# Altium PCB AccessControl_V1.0.0.PcbDoc (part 3 of 3) (continued)
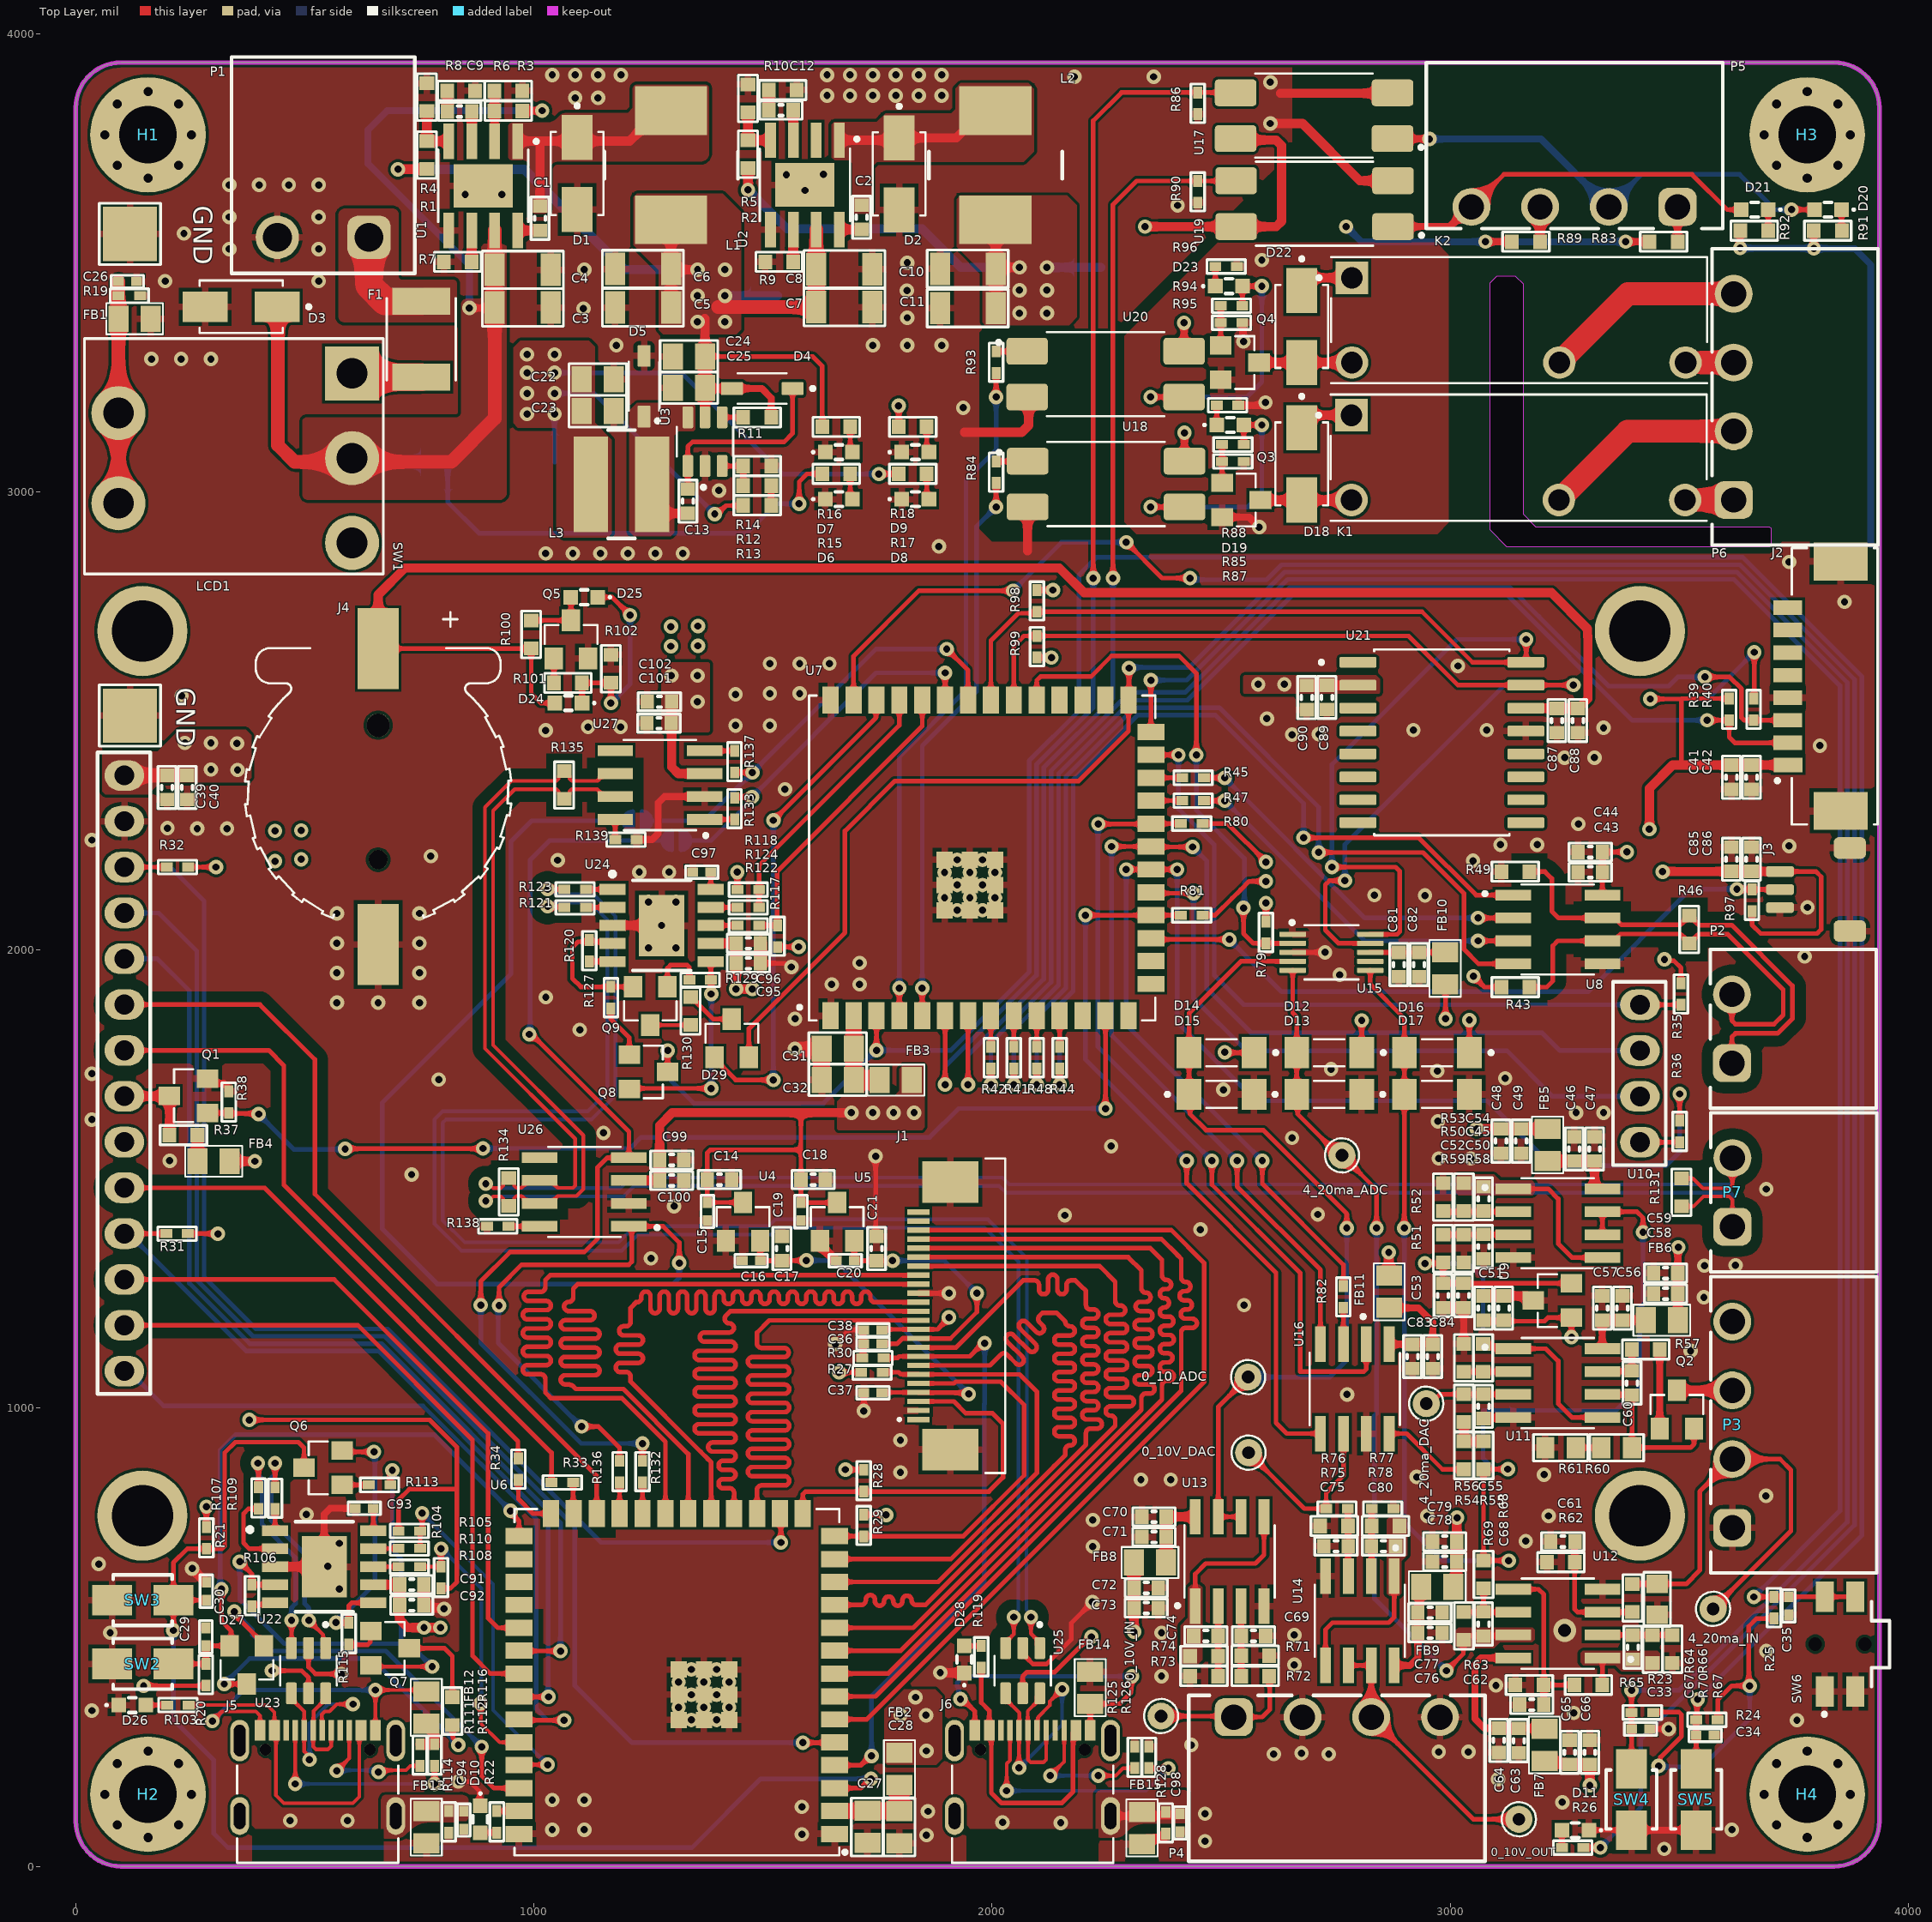
[diagram p0: Top Layer view]
## Nets (pads, with @x,y where several pads share a name; then routed paths per layer and width w, separated by ;. In a path a pad name is that pad's centre, name@x,y a point inside that pad or via, vN(x,y) a via of type N, cw(c..) or ccw(c..) an arc to the next point about the centre after c; other vN are vias at no path point) (continued)
NetLCD1_6: LCD1.6 U6.24 | length 1711.4
  Top Layer w10: LCD1.6@106,1881 402,1881 522,1761 522,1467.33 1137,852.33 U6.24@1137,770
NetLCD1_7: LCD1.7 R33.2 | length 1513.7
  Top Layer w10: LCD1.7@106,1781 421,1781 454,1748 454,1487.25 1038.38,902.87 R33.2@1038.38,838
NetLCD1_10: LCD1.10 R34.2 | length 1125.9
  Top Layer w10: LCD1.10@106,1481 412.17,1481 965.24,927.93 965.24,891.39 R34.2@966,890.62
NetLCD1_11: LCD1.11 R31.1 U6.34 | length 1725.2
  Top Layer w10: LCD1.11@106,1381 R31.1@197.38,1381 ; U6.34@967.51,370.79 968.3,370 v1(1031.75,370)
  Bottom Layer w10: LCD1.11@106,1381 115.84,1381 371.84,1125 660.49,1125 1031,754.49 1031,370.75 v1(1031.75,370)
NetLCD1_12: LCD1.12 U6.31 | length 1412.5
  Top Layer w10: LCD1.12@106,1281 564.08,1281 900,945.08 900,542 921.21,520.79 U6.31@967.51,520.79
NetLCD1_13: LCD1.13 U6.33 | length 1452.6
  Top Layer w10: LCD1.13@106,1181 616,1181 866,931 866,459.5 904.71,420.79 U6.33@967.51,420.79
NetLCD1_14: LCD1.14 U6.35 | length 1617.3
  Top Layer w10: U6.35@967.51,320.79 969.3,319 v1(1066,319)
  Bottom Layer w10: LCD1.14@106,1081 115.84,1081 191.84,1005 757.86,1005 1005,757.86 1005,344 1030,319 v1(1066,319)
NetLCD1_15: LCD1.15 R35.1 U7.25 | length 1619.2
  Top Layer w10: U7.25@2346.83,2425.94 v1(2407,2425.94) ; LCD1.15@3414.27,1880.61 3414.38,1880.49 3503.89,1880.49 R35.1@3504,1880.38
  Bottom Layer w10: v1(2407,2425.94) 2407,2308 2485,2230 2485,1945 2549.39,1880.61 LCD1.15@3414.27,1880.61
NetLCD1_16: LCD1.16 U7.21 U16.4 | length 2776
  Top Layer w10: v1(2261,2226) 2346.77,2226 2347.77,2225 v1(2438,2225) ; v1(2535,1540) 2535,1484 2717,1302 U16.4@2717,1139.44
  Bottom Layer w10: v1(2261,2226) 2261,1814 v1(2535,1540) ; v1(2438,2225) 2469,2194 2469,1916 2565.42,1819.58 3200.42,1819.58 3239.39,1780.61 LCD1.16@3414.27,1780.61
NetLCD1_17: LCD1.17 U7.19 | length 1386
  Top Layer w10: U7.19@2346.83,2125.94 2348.77,2124 v1(2440,2124)
  Bottom Layer w10: v1(2440,2124) 2440,1895 2555,1780 3124,1780 3223.39,1680.61 LCD1.17@3414.27,1680.61
NetLCD1_18: LCD1.18 R36.2 | length 86.8
  Top Layer w10: LCD1.18@3414.27,1580.61 3414.38,1580.49 3500.89,1580.49 R36.2@3501,1580.38
NetP5_1: P5.1 R83.2 | length 76.1
  Top Layer w15: R83.2@3496.5,3546 P5.1@3496.46,3622.05
NetP5_3: P5.3 R89.2 | length 76.2
  Top Layer w15: R89.2@3196,3546 3196.23,3546.23 3196.23,3621.82 P5.3@3196.46,3622.05
NetQ1_1: Q1.1 R38.2 U7.13 | length 2232.7
  Top Layer w10: Q1.1@287.73,1644.6 287.95,1644.38 R38.2@334,1644.38 335.19,1643.19 397.81,1643.19 v1(399,1642) ; v1(588,1566) 588.5,1566.5 888.5,1566.5 v1(889,1567) ; U7.13@2247.62,1856.45 2247.62,1654.38 v1(2248,1654)
  Bottom Layer w10: v1(399,1642) 476,1565 587,1565 v1(588,1566) ; v1(889,1567) 1210,1567 1234,1591 1864,1591 1927,1654 v1(2248,1654)
NetQ2_1: Q2.1 R57.2 | length 172.5
  Top Layer w15: R57.2@3457.5,1128 R57.2@3457.5,1128 3457.55,955.58 Q2.1@3457.6,955.54
NetQ3_1: Q3.1 R85.2 R87.2 | length 83.6
  Top Layer w10: Q3.1@2502.27,3019.65 R87.2@2502.27,3066.24 R85.2@2502.27,3103.24
NetQ4_1: Q4.1 R94.2 R95.2 | length 86.6
  Top Layer w10: Q4.1@2499.27,3319.65 R95.2@2499.27,3369.24 R94.2@2499.27,3406.24
NetQ5_1: Q5.1 R101.2 | length 53.3
  Top Layer w10: R101.2@1043.5,2583 1043.6,2583.1 Q5.1@1043.6,2636.27
NetQ6_1: Q6.1 R113.2 | length 57.9
  Top Layer w10: Q6.1@581.46,832.6 R113.2@639.38,832.6
NetQ7_1: Q7.1 R115.2 | length 73.7
  Top Layer w10: R115.2@596,484.38 596.38,484 637.14,484 643,489.86 643,512.13 Q7.1@644.27,513.4
NetQ7_3: Q7.3 R116.1 | length 190.8
  Top Layer w10: Q7.3@727.73,476 805,476 822,459 R116.1@822,369.5
NetQ8_1: Q8.1 R127.2 | length 117.7
  Top Layer w10: R127.2@1168,1872.38 1168,1849 1208.27,1808.73 Q8.1@1208.27,1771.4
NetQ9_1: Q9.1 R129.2 | length 120.6
  Top Layer w10: Q9.1@1291.4,1919.73 1291.4,1960.4 1298,1967 1334.69,1967 1339.38,1962.31 R129.2@1339.38,1935
NetQ9_3: Q9.3 R130.1 | length 88.1
  Top Layer w8: Q9.3@1254,1836.27 1341.77,1836.27 R130.1@1342,1836.5
NetR1_1: R1.1 R4.2 U1.4 | length 113.5
  Top Layer w20: R4.2@766.32,3830.94 R1.1@766.32,3765.44 U1.4@814.32,3765.44
NetR2_1: R2.1 R5.2 U2.4 | length 110
  Top Layer w20: R5.2@1467.32,3828.5 R2.1@1467.32,3767.5 1516.26,3767.5 U2.4@1516.32,3767.44
NetR3_1: R3.1 R6.2 U1.2 | length 110.2
  Top Layer w15: R6.2@913.82,3875.44 914.07,3875.19 914.07,3765.69 U1.2@914.32,3765.44
NetR7_2: R7.2 U1.6 | length 71.1
  Top Layer w20: R7.2@864.32,3499.44 U1.6@864.32,3570.56
NetR9_2: R9.2 U2.6 | length 70.8
  Top Layer w20: R9.2@1565.82,3502 1566.07,3502.25 1566.07,3572.31 U2.6@1566.32,3572.56
NetR11_1: R11.1 U3.4 | length 46.2
  Top Layer w10: U3.4@1410.78,3162.75 1456.73,3162.75 R11.1@1456.88,3162.6
NetR12_1: R12.1 R13.2 | length 43
  Top Layer w10: R13.2@1517.88,2970.6 R12.1@1517.88,3013.6
NetR12_2: R12.2 R14.2 U3.3 | length 89.2
  Top Layer w10: U3.3@1410.78,3056.45 1456.73,3056.45 R14.2@1456.88,3056.6 R12.2@1456.88,3013.6
NetR33_1: R33.1 U6.25 | length 68.6
  Top Layer w10: R33.1@1085.62,838 1085.62,771.38 U6.25@1087,770
NetR34_1: R34.1 U6.26 | length 125.6
  Top Layer w10: R34.1@966,843.38 966,802 998,770 U6.26@1037,770
NetR36_1: R36.1 R82.1 U7.20 | length 2974.4
  Top Layer w10: v1(2293,2175.94) U7.20@2346.83,2175.94 v1(2404.06,2175.94) ; v1(2590,1540) 2590,1490 2767,1313 R82.1@2767,1266.62 ; R36.1@3501,1627.62 v1(3501,1686)
  Bottom Layer w10: v1(2293,2175.94) 2293,1837 v1(2590,1540) ; v1(2404.06,2175.94) 2404.06,1843.11 2576.17,1671 3081,1671 3223,1529 3471,1529 3501,1559 v1(3501,1686)
NetR41_1: R41.1 U7.9 | length 67.8
  Top Layer w10: R41.1@2047.62,1788.62 U7.9@2047.62,1856.45
NetR42_1: R42.1 U7.8 | length 67.8
  Top Layer w10: R42.1@1997.62,1788.62 U7.8@1997.62,1856.45
NetR44_1: R44.1 U7.11 | length 67.8
  Top Layer w10: R44.1@2147.62,1788.62 U7.11@2147.62,1856.45
NetR44_2: R44.2 U8.1 | length 1938.5
  Top Layer w10: v1(2147.62,1706.35) R44.2@2147.62,1741.38 ; v1(2680,2245) 2931.63,2245 3056.63,2120 U8.1@3137.56,2120
  Bottom Layer w10: v1(2147.62,1706.35) 2147.62,1880.62 2177.25,1910.25 2177.25,2372.11 2318.14,2513 2487,2513 2680,2320 v1(2680,2245)
NetR45_1: R45.1 U7.24 | length 68.6
  Top Layer w10: U7.24@2346.83,2375.94 2346.9,2376 R45.1@2415.38,2376
NetR45_2: R45.2 U8.2 | length 800.6
  Top Layer w10: R45.2@2462.62,2376 v1(2508,2376) ; v1(3060.93,2070) U8.2@3137.56,2070
  Bottom Layer w10: v1(2508,2376) 2814,2070 3059.67,2070 v1@3059.78,2070.11
NetR47_1: R47.1 U7.23 | length 68.6
  Top Layer w10: U7.23@2346.83,2325.94 2346.9,2326 R47.1@2415.38,2326
NetR47_2: R47.2 U8.3 | length 801.7
  Top Layer w10: R47.2@2462.62,2326 v1(2508,2326) ; v1(3060.93,2020) U8.3@3137.56,2020
  Bottom Layer w10: v1(2508,2326) 2814,2020 v1(3060.93,2020)
NetR48_1: R48.1 U7.10 | length 67.8
  Top Layer w10: R48.1@2097.62,1788.62 U7.10@2097.62,1856.45
NetR48_2: R48.2 U8.4 | length 2133.3
  Top Layer w10: v1(2097.62,1706.35) R48.2@2097.62,1741.38 ; v1(2713,2213) 2941,2213 3030,2124 3030,2002 3062,1970 U8.4@3137.56,1970
  Bottom Layer w10: v1(2097.62,1706.35) 2097.62,1853.25 2161.25,1916.88 2161.25,2378.74 2311.51,2529 2496,2529 2713,2312 v1(2713,2213)
NetR54_1: R54.1 U16.8 | length 195.3
  Top Layer w10: U16.8@2867,944.56 2905.44,944.56 2983.5,866.5 R54.1@3030,866.5
NetR54_2: R54.2 R55.2 R56.1 | length 85
  Top Layer w15: R56.1@3030,969.5 R54.2@3030,927.5 R55.2@3073,927.5
NetR58_1: R58.1 R59.2 U11.2 | length 107.8
  Top Layer w10: R59.2@3030.25,1079.75 U11.2@3137.31,1079.75
  Top Layer w15: R59.2@3030,1079.5 R59.2@3030.25,1079.75 ; U11.2@3137.31,1079.75 U11.2@3137.56,1080
NetR58_2: R58.2 U11.1 U11.5 | length 381.4
  Top Layer w10: U11.1@3137.56,1130 3209,1130 3236,1103 3236,1010 3266,980 U11.5@3332.44,980
  Top Layer w15: R58.2@3072,1140.5 3078.19,1134.31 3133.25,1134.31 U11.1@3137.56,1130
NetR60_1: R60.1 R61.1 | length 55.4
  Top Layer w10: R61.1@3274.56,914 R60.1@3330,914
NetR76_1: 0_10V_DAC.1 R76.1 U16.6 | length 399.1
  Top Layer w10: 0_10V_DAC.1@2560,903 2682,781 R76.1@2729.38,781 2729.38,815.38 2767,853 U16.6@2767,944.56
NetR79_1: R79.1 U7.31 U15.2 | length 1157.9
  Top Layer w10: U7.31@2097.62,2545.43 2097.62,2588.62 2106,2597 2216,2597 2261,2642 2408,2642 2446,2604 v1(2446,2425.94) ; v1(2549,2092) 2549,2036.12 2570.43,2014.68 R79.1@2598,2014.68 U15.2@2656.35,2014.68
  Bottom Layer w10: v1(2446,2425.94) 2446,2305 2551,2200 2551,2094 v1(2549,2092)
NetR80_1: R80.1 U7.22 U16.2 | length 1760
  Top Layer w10: v1(2232,2275) 2345.9,2275 U7.22@2346.83,2275.94 R80.1@2412.38,2275.94 ; v1(2480,1540) 2480,1488 2673,1295 2673,1079.62 2811.14,1079.62 2817,1085.48 U16.2@2817,1139.44
  Bottom Layer w10: v1(2232,2275) 2231,2274 2231,1789 v1(2480,1540)
NetR81_1: R81.1 U7.18 U16.5 | length 1595.9
  Top Layer w10: v1(2204,2075.94) U7.18@2346.83,2075.94 R81.1@2412.38,2075.94 ; v1(2425,1540) 2425,1491 2620,1296 2620,968.24 2643.68,944.55 2672.82,944.55 ; 2673.18,944.56 U16.5@2717,944.56
  Bottom Layer w10: v1@2204,2077 v1(2204,2075.94) 2204,1761 v1(2425,1540)
NetR82_2: R82.2 U16.3 | length 79.9
  Top Layer w10: U16.3@2767,1139.44 R82.2@2767,1219.38
NetR84_1: R84.1 U7.5 | length 1229.8
  Top Layer w10: U7.5@1847.62,1856.45 v1(1847.62,1917) ; v1(2009,2967) R84.1@2009,3019.38
  Bottom Layer w10: v1(1847.62,1917) 1847.62,2445.62 1966,2564 1966,2924 v1(2009,2967)
NetR84_2: R84.2 U18.1 | length 68.9
  Top Layer w10: R84.2@2009,3066.62 2077.36,3066.62 U18.1@2077.74,3067
NetR86_2: R86.2 U7.6 U17.3 | length 2724.2
  Top Layer w10: v1(1897.62,1706.35) U7.6@1897.62,1856.45 ; v1(2221,2811.75) 2221,3810 2282.62,3871.62 R86.2@2449,3871.62 2461,3871.62 2531.12,3871.62 U17.3@2531.74,3871
  Bottom Layer w10: v1(1897.62,1706.35) 1897.62,1745.62 2097,1945 2097,2405 2221,2529 v1(2221,2811.75)
NetR90_2: R90.2 U7.7 U19.3 | length 2492.1
  Top Layer w10: v1(1947.62,1706.35) U7.7@1947.62,1856.45 ; v1(2264,2811.75) 2264,3627 2315.62,3678.62 R90.2@2449,3678.62 2462,3678.62 2532.36,3678.62 U19.3@2532.74,3679
  Bottom Layer w10: v1(1947.62,1706.35) 1947.62,1771.13 2113,1936.51 2113,2398.37 2264,2549.37 v1(2264,2811.75)
NetR93_1: R93.1 U7.4 | length 1490.5
  Top Layer w10: U7.4@1797.62,1856.45 v1(1797.62,1917) ; v1(2009,3207) R93.1@2009,3259.38
  Bottom Layer w10: v1(1797.62,1917) 1797.62,2421.62 1943.3,2567.3 1943.3,3026.3 2009,3092 v1(2009,3207)
NetR93_2: R93.2 U20.1 | length 67.9
  Top Layer w10: R93.2@2009,3306.62 2076.36,3306.62 U20.1@2076.74,3307
NetR98_1: R98.1 U7.33 U15.10 U21.16 | length 2529.9
  Top Layer w10: U7.33@1997.62,2545.43 1997.62,2675.62 2057.22,2735.22 R98.1@2099,2735.22 ; R98.1@2099,2738.38 2938.62,2738.38 3049,2628 U21.16@3165.27,2628 3166,2628.73 v1(3166,2678) ; v1(2742,2181) 2881,2181 2890,2172 2890,2040.23 2884.14,2034.37 U15.10@2825.65,2034.37
  Bottom Layer w10: v1(2742,2181) 2742,2405 3015,2678 v1(3166,2678)
NetR99_1: R99.1 U7.32 U15.9 U21.15 | length 2371
  Top Layer w10: U7.32@2047.62,2545.43 2047.62,2663.62 2069.62,2685.62 R99.1@2098,2685.62 2909.38,2685.62 3016.62,2578.38 3165.27,2578.38 v1(3269.3,2578.38) ; v1(2770.41,2151.41) 2736.41,2151.41 2727.62,2142.62 2727.62,2084 2727.62,2043.38 2756.32,2014.68 U15.9@2825.65,2014.68
  Bottom Layer w10: v1(2770.41,2151.41) 2770.41,2230.41 3118.38,2578.38 v1(3269.3,2578.38)
NetR104_1: R104.1 R108.2 U6.36 | length 604.2
  Top Layer w8: R108.2@751.62,654 R104.1@797,654 797.15,654.15 797.15,693.15 v1(797.29,693.29) ; v1(884,356) 884,312 925.21,270.79 U6.36@967.51,270.79
  Bottom Layer w8: v1(797.29,693.29) 798.71,693.29 885,607 885,357 v1(884,356)
NetR105_1: R105.1 R110.2 U6.37 | length 804.3
  Top Layer w8: R110.2@751.62,694 R105.1@751.62,732 756,736.38 v1(756,771) ; U6.37@967.51,220.79 968.72,222 v1(1030,222)
  Bottom Layer w8: v1(756,771) 911,616 911,341 v1(1030,222)
NetR106_1: R106.1 U22.5 | length 54
  Top Layer w10: R106.1@384.26,567.39 388.2,571.32 431.04,571.32 U22.5@434.98,575.26
NetR107_2: R107.2 U22.2 | length 175.5
  Top Layer w10: R107.2@399,780.38 376.38,780.38 366,770 366,706 378.63,693.37 U22.2@434.98,693.37
NetR108_1: R108.1 U22.8 | length 54.8
  Top Layer w8: U22.8@649.54,654 R108.1@704.38,654
NetR109_2: R109.2 U22.1 | length 47.3
  Top Layer w10: U22.1@435,732.76 R109.2@435,780
NetR110_1: R110.1 U22.9 | length 55.1
  Top Layer w8: U22.9@649.54,693.37 649.86,693.69 704.06,693.69 R110.1@704.38,694
NetR117_1: R117.1 R122.2 U7.36 | length 663.6
  Top Layer w10: R122.2@1491.62,2053.74 R117.1@1532,2053.74 1531,2054.74 1531,2172 1847.62,2488.62 U7.36@1847.62,2545.43
NetR118_1: R118.1 R124.2 U7.37 | length 579.1
  Top Layer w10: R124.2@1491.62,2093.11 R118.1@1491.62,2132 1491.62,2184.62 1797.62,2490.62 U7.37@1797.62,2545.43
NetR120_1: R120.1 U24.5 | length 50.4
  Top Layer w10: R120.1@1121,1975 U24.5@1171.43,1975
NetR121_2: R121.2 U24.2 | length 57.8
  Top Layer w10: R121.2@1113.62,2093.11 U24.2@1171.43,2093.11
NetR122_1: R122.1 U24.8 | length 58.4
  Top Layer w10: U24.8@1386,2053.74 R122.1@1444.38,2053.74
NetR123_2: R123.2 U24.1 | length 57.8
  Top Layer w10: R123.2@1113.62,2132.48 U24.1@1171.43,2132.48
NetR124_1: R124.1 U24.9 | length 58.4
  Top Layer w10: U24.9@1386,2093.11 R124.1@1444.38,2093.11
NetR132_1: R132.1 U6.23 | length 68
  Top Layer w10: U6.23@1187,770 R132.1@1187,838
NetR133_1: R133.1 U27.1 | length 65.6
  Top Layer w10: U27.1@1372.44,2285 R133.1@1438,2285
NetR136_1: R136.1 U6.22 | length 68
  Top Layer w10: U6.22@1237,770 R136.1@1237,838
NetR137_1: R137.1 U27.4 | length 65.7
  Top Layer w10: U27.4@1372.44,2435 1372.63,2434.81 1437.81,2434.81 R137.1@1438,2434.62
NetR138_1: R138.1 U26.8 | length 37.9
  Top Layer w10: R138.1@944.62,1397 975,1397 U26.8@980.3,1402.3
NetR139_1: R139.1 U27.8 | length 44.1
  Top Layer w10: R139.1@1177.38,2241 1177.38,2284.82 U27.8@1177.56,2285
RS485_N: P2.1 R46.1 R49.1 U8.7 | length 1015.1
  Top Layer w10: R49.1@3172.81,2171 3207,2171 3222,2156 3222,2085 3237,2070 U8.7@3332.44,2070 3359.41,2070 3374.41,2055 3502.5,2055 3511,2063.5 3511,2065.5 3521,2075.5 3523,2075.5 3533,2065.5 3533,2064.5 3543.1,2054.4 3614.6,2054.4 3747,1922 3747,1850 3715.06,1818.06 3623,1818.06 3615.14,1810.2 P2.1@3615.14,1753.06
RS485_P: P2.2 R43.1 R46.2 U8.6 | length 952.5
  Top Layer w10: R43.1@3172.81,1919 3211,1919 3224,1932 3224,2009 3235,2020 U8.6@3332.44,2020 3359.41,2020 3366.22,2026.81 3366.22,2029.14 3372.08,2035 3502.5,2035 3511,2026.5 3511,2024.5 3520.5,2015 R46.2@3522.5,2015 ; R46.2@3523,2014.5 3533,2024.5 3533,2025.5 3541.9,2034.4 3606.32,2034.4 3727,1913.72 3727,1858.28 3706.77,1838.06 3623,1838.06 3615.14,1845.91 P2.2@3615.14,1903.06
VCC: C3.2 C4.2 D3.1 R3.2 R15.2 SW1.2 TP5.1 U1.7 | length 3425.4
  Top Layer w10: v1(1579,2974) 1579,3022 1596.33,3039.33 R15.2@1629.5,3039.33
  Top Layer w15: v1(859.09,3401.22) 913.1,3401.22 C3.2@914.32,3402.44 ; R3.2@974.82,3831.44 975.09,3831.72 1017.72,3831.72 v1(1018,3832)
  Top Layer w30: D3.1@441,3389 441,3102 477.72,3065.28 603,3065.28 819.28,3065.28 914.32,3160.31 C3.2@914.32,3402.44 C4.2@914.32,3484.44 ; U1.7@914.32,3570.56 914.32,3485.6 C4.2@915.48,3484.44
  Bottom Layer w10: SW1.2@603,3065.28 SW1.2@622.68,3065.28 ; TP5.1@812,3064 812,2978 880,2910 1017.81,2910 1465,2910 1529,2974 v1(1579,2974)
  Bottom Layer w15: v1(859.09,3401.22) 859.09,3494.91 638,3716 638,3790 680,3832 v1(1018,3832)
  Bottom Layer w30: SW1.2@622.68,3065.28 810.72,3065.28 TP5.1@812,3064
Vref_0.75V: D16.A D17.C R55.1 R68.1 TP9.1 U10.6 U10.7 U15.6 | length 2853.6
  Top Layer w10: U15.6@2825.65,1955.63 2825.65,1925.62 2900.13,1851.13 D16.A@2900.13,1776 D17.C@2900.13,1685 ; v1(2900,1393.25) D17.C@2900,1684.87 ; v1(3126,867) 3073.5,867 R55.1@3073,866.5 R68.1@3073,667.5 3127.5,667.5 v1(3128,667) ; U10.6@3332.44,1378.76 U10.7@3332.44,1428.76 3332.56,1428.88 3408,1428.88 3421,1415.88 v1(3421,1384)
  Bottom Layer w10: v1(2900,1393.25) 2900,751 2984,667 v1(3128,667) ; v1(3126,867) 3095,867 3072,890 TP9.1@3072,995.28 3362.28,995.28 3414,1047 3414,1219.09 3421,1226.09 v1(3421,1384)
WF_DIR: Q9.2 R120.2 R127.1 U24.4 | length 302.4
  Top Layer w10: U24.4@1171.43,2014.37 1167.5,2018.31 1124.94,2018.31 1096.31,2018.31 1084,2006 1084,1938 1102.38,1919.62 R127.1@1168,1919.62 1216.49,1919.62 Q9.2@1216.6,1919.73
WF_LED_STATUS: R26.1 U7.39 | length 5352
  Top Layer w10: U7.39@1697.62,2545.43 1697.62,2641.62 1840.31,2784.31 v1(2045.91,2784.31) ; v1(2293,2890) 2371.25,2811.75 v1(2432.16,2811.75) ; R26.1@3291.12,41 v1(3328,41)
  Bottom Layer w10: v1(2045.91,2784.31) 2151.6,2890 v1(2293,2890) ; v1(2432.16,2811.75) 2435.91,2808 2599,2808 2632,2841 3632.37,2841 3883,2590.37 3883,745 3416,278 3416,129 v1(3328,41)
WF_RTS: Q8.2 R129.1 U24.6 | length 456.7
  Top Layer w8: Q8.2@1208.27,1696.6 Q8.2@1209.67,1698
  Top Layer w10: Q8.2@1209.67,1698 v1(1387,1698) ; U24.6@1386,1975 1386,1935.62 R129.1@1386.62,1935 1387,1934.62 v1(1387,1904)
  Bottom Layer w10: v1(1387,1698) v1(1387,1904)
WF_SW_STATUS: C35.2 R25.1 SW6.2 SW6.4 U7.26 | length 4073
  Top Layer w10: U7.26@2346.83,2475.94 v1(2346.83,2589) ; v1(3663,588) 3663.17,588.17 3706.83,588.17 R25.1@3707,588.35 C35.2@3739,588.35 3796.67,588.35 3863.6,588.35
  Bottom Layer w10: v1@2346,2589 2425.25,2589 2645.25,2809 3619.12,2809 3851,2577.12 3851,776 v1(3663,588)
WIFI_N: R121.1 U25.3 | length 3386.2
  Top Layer w8: v1(1030,2095.5) 1031.2,2094.31 1065.18,2094.31 R121.1@1066.38,2093.11 ; U25.3@2029.53,488.61 2037.14,496.23 2047.5,506.59 v1(2047.5,544)
  Bottom Layer w8: v1(1030,2095.5) 1036.36,2095.5 1044.85,2104 1122,2104 1160.27,2065.73 1160.27,1690.27 1118,1648 800.54,1648 783,1630.46 783,1402.54 841.54,1344 1191.96,1344 1226.96,1379 1519,1379 1534,1394 1984,1394 2058,1320 2058,746.61 2057.25,745.87 2057.25,560.11 2047.5,550.36 v1(2047.5,544)
WIFI_P: R123.1 U25.1 | length 3429.1
  Top Layer w8: v1(1030,2133) 1030.26,2132.74 1066.12,2132.74 R123.1@1066.38,2132.48 ; v1(2085,544) 2085,507.94 2096.72,496.23 2096.72,484.02 U25.1@2104.33,476.41
  Bottom Layer w8: v1(1030,2133) 1035.43,2133 1046.43,2122 1129.46,2122 1178.27,2073.18 1178.27,1682.82 1125.46,1630 808,1630 801,1623 801,1410 849,1362 1184.5,1362 1219.5,1397 1511.54,1397 1526.54,1412 1991.46,1412 2076,1327.46 2076,739.16 2075.25,738.41 2075.25,560.11 2085,550.36 v1(2085,544)
WIFI_USB_N: J6.A7 J6.B7 U25.4 | length 499.3
  Top Layer w8: U25.4@2029.53,377.59 2029.53,365.39 2059.83,335.08 2059.83,297.65 J6.B7@2058.99,296.81 v1(2059,215) ; J6.A7@2098.36,296.81 2100.27,298.72 2100.27,325.65 2125.94,351.33 2125.94,359.94 v1(2153,387)
  Bottom Layer w8: v1(2059,215) 2153,309 v1(2153,387)
WIFI_USB_P: J6.A6 J6.B6 U25.6 | length 264.1
  Top Layer w8: U25.6@2104.33,377.59 2096.72,369.98 2096.72,357.72 2077.83,338.83 2077.83,297.65 J6.A6@2078.68,296.81 2078.68,232.86 2084.53,227 2112,227 2118.05,233.05 J6.B6@2118.05,296.81
pads on no net: H1.1 H2.1 H3.1 H4.1 J1.1 J1.23 J1.24 J2.5 J2.6 J2.7 J2.8 J4. J5. J5.A8 J5.B8 J6. J6.A8 J6.B8 LCD1.9 LCD1.NC SW1.3 SW6.5 SW6.6 U2.2 U6.28 U6.29 U6.30 U7.12 U7.14 U7.15 U7.16 U7.28 U7.29 U7.30 U15.7 U21.1 U21.3 U21.4 U21.5 U21.6 U21.7 U21.8 U21.9 U21.10 U21.11 U21.12 U26.5 U27.5

## Polygon pours and split planes (outlines as drawn)
GND on Top Layer "GND_L01_P046" (solid, remove dead copper, pour order 46): 2289,3340 2493,3544 2970,3544 2997,3517 2997,2933 2972,2908 2315,2908 2289,2934
GND on Top Layer "GND_L01_P043" (solid, remove dead copper, pour order 43): 2281,2891 2307,2865 3699,2865 3725,2891 3937,2891 3937,98 cw(c3839,98) 3839,0 97,0 cw(c97,97) 0,97 0,3838.58 cw(c98.42,3838.58) 98.42,3937 2655,3937 2655,3743 2269,3357 1981,3357 1972,3348 1972,2919 2000,2891
VCC on Top Layer "VCC_L01_P027" (solid, remove dead copper, pour order 27): 931,3541 933,3541 cw(c933,3534) 940,3534 940,2997 cw(c926,2997) 926,2983 506,2983 cw(c506,2994) 495,2994 495,3154 cw(c503,3154) 503,3162 829,3162 ccw(c829,3174) 841,3174 841,3409 cw(c854,3409) 854,3422 881,3422 ccw(c881,3426) 885,3426 885,3535 cw(c891,3535) 891,3541 931,3541 ccw(c931,3542) 932,3542
NetF1_1 on Top Layer "NETF1_1_L01_P028" (solid, remove dead copper, pour order 28): 573,3603 cw(c588,3603) 588,3618 692,3618 cw(c692,3606) 704,3606 704,3472 ccw(c713,3472) 713,3463 823,3463 cw(c823,3454) 832,3454 832,3376 cw(c826,3376) 826,3370 587,3370 cw(c587,3384) 573,3384
NetC94_1 on Top Layer "NETC94_1_L01_P025" (solid, remove dead copper, pour order 25): 699.63,61 ccw(c699.63,90.87) 720.75,69.75 729.5,78.5 cw(c771.75,36.25) 771.75,96 843,96 ccw(c843,110) 857,110 857,144 ccw(c845,144) 845,156 677,156 ccw(c677,145) 666,145 666,70 ccw(c675,70) 675,61
NetC98_1 on Top Layer "NETC98_1_L01_P023" (solid, remove dead copper, pour order 23): 2270.62,62.43 ccw(c2270.62,88.52) 2289.07,70.07 2296.72,77.72 cw(c2333.62,40.82) 2333.62,93 2420,93 ccw(c2420,101) 2428,101 2428,158 ccw(c2420,158) 2420,166 2238,166 ccw(c2238,154) 2226,154 2226,75 ccw(c2238.57,75) 2238.57,62.43
3V3 on Top Layer "3V3_L01_P021" (solid, remove dead copper, pour order 21): 2551,2600 2548,2597 2548,2562 2550,2560 2845,2560 2847,2562 2847,2591 2838,2600
3V3 on Top Layer "3V3_L01_P020" (solid, remove dead copper, pour order 20): 1765,228 1771,222 1878,222 1891,235 1891,371 1876,386 1808,386 1765,343
3V3 on Top Layer "3V3_L01_P019" (solid, remove dead copper, pour order 19): 1806,1749 1798,1741 1798,1693 1786,1681 1673,1681 1662,1670 1662,1610 1665,1607 1847,1607 1853,1613 1853,1746 1850,1749
3V3 on Top Layer "3V3_L01_P018" (solid, remove dead copper, pour order 18): 1285,2475 1278,2482 1278,2621 1285,2628 1381,2628 1384,2625 1384,2477.83 1381.17,2475
5V on Top Layer "5V_L01_P017" (solid, remove dead copper, pour order 17): 58,2427 64,2433 178,2433 226,2481 371,2481 383,2469 383,2376 373,2366 184,2366 158,2340 64,2340 58,2346
5V on Top Layer "Top Layer-5V" (solid, pour order 14): 1049,2915 1064,2900 1161,2900 1170,2909 1170,3114 1133.12,3150.88 1133.12,3316.88 1120,3330 970,3330 955,3315 955,3150 965,3140 1045,3140 1049,3136
NetC54_2 on Top Layer "NETC54_2_L01_P012" (solid, remove dead copper, pour order 12): 3096,1510 3109,1497 3180,1497 3185,1492 3185,1470 3180,1465 3018,1465 3012,1471 3012,1504 3018,1510
NetC67_2 on Top Layer "NETC67_2_L01_P011" (solid, remove dead copper, pour order 11): 3374,426 3361,439 3290,439 3285,444 3285,466 3290,471 3452,471 3458,465 3458,432 3452,426
NetC68_2 on Top Layer "NETC68_2_L01_P010" (solid, remove dead copper, pour order 10): 3096,476.25 3109,489.25 3180,489.25 3185,494.25 3185,516.25 3180,521.25 3018,521.25 3012,515.25 3012,482.25 3018,476.25
NetC74_2 on Top Layer "NETC74_2_L01_P009" (solid, remove dead copper, pour order 9): 2411.22,525.71 2428,542.49 2428,608 2434.71,614.71 2453.29,614.71 2459,609 2459,450.49 2450.22,441.71 2417.22,441.71 2411.22,447.71
NetC80_2 on Top Layer "NETC80_2_L01_P008" (solid, remove dead copper, pour order 8): 2907,679 2894,666 2894,595 2889,590 2867,590 2862,595 2862,757 2868,763 2901,763 2907,757
3V3 on Top Layer "3V3_L01_P007" (solid, remove dead copper, pour order 7): 1923,3639 1931,3647 2164,3647 2185,3626 2185,3381 2168,3364 1985,3364 1979,3370 1979,3479 1933,3525 1923,3535
NetC2_2 on Top Layer "NETC2_2_L01_P006" (solid, remove dead copper, pour order 6): 2092,3742.5 2069.5,3720 1749,3720 1738,3709 1738,3610.5 1734,3606.5 1698.5,3606.5 1695,3610 1695,3717.75 1689.25,3723.5 1656,3723.5 1650,3729.5 1650,3802 1655,3807 1748.5,3807 1767.5,3826 1910.5,3826 1920,3835.5 1920,3880.5 1931.5,3892 2079.5,3892 2092,3879.5
12V on Top Layer "12V_L01_P005" (solid, remove dead copper, pour order 5): 1217,3643 1225,3651 1412,3651 1452,3611 1452,3354 1442,3344 1282,3344 1273,3353 1273,3483 1227,3529 1217,3539
NetC1_2 on Top Layer "NETC1_2_L01_P004" (solid, remove dead copper, pour order 4): 1056.75,3821.75 cw(c1069.42,3809.08) 1069.42,3827 1205,3827 1215.72,3837.72 1215.72,3879.72 cw(c1225,3879.72) 1225,3889 1374,3889 cw(c1374,3881) 1382,3881 1382,3739 cw(c1364,3739) 1364,3721 1052.18,3721 ccw(c1052.18,3702.82) 1034,3702.82 1034,3617 cw(c1024,3617) 1024,3607 1003,3607 cw(c1003,3618) 992,3618 992,3706.06 ccw(c974.06,3706.06) 974.06,3724 952,3724 cw(c952,3732) 944,3732 944,3797 cw(c953,3797) 953,3806 1026.15,3806 ccw(c1026.15,3841.85) 1051.5,3816.5
NetC13_2 on Top Layer "NETC13_2_L01_P002" (solid, remove dead copper, pour order 2): 1352,3187.25 1345.47,3193.78 1225.24,3193.78 1208.44,3176.97 1208.44,2912.22 1208.95,2912.22 1218.17,2903 1298.44,2903 1306,2910.56 1306,3123 1315.75,3132.75 1348.61,3132.75 1352,3136.14 1352,3187
GND on Bottom Layer "GND_L04_P026" (solid, remove dead copper, pour order 26): 3062,2922 3117,2867 3700,2867 3755,2922 3937,2922 3937,98 cw(c3839,98) 3839,0 97,0 cw(c97,97) 0,97 0,3838.58 cw(c98.42,3838.58) 98.42,3937 2481,3937 2481,3518 2320,3357 1993,3357 1972,3336 1972,2949 1999,2922
3V3 on Bottom Layer "3V3_L04_P015" (solid, remove dead copper, pour order 15): 412,2163 398,2177 398,2365 473,2440 1238,2440 1264,2466 1264,2729 1277,2742 1408,2742 1415,2735 1414,2734 1414,2397 1346,2329 666,2329 595,2258 595,2173 585,2163
3V3 on PWR "3V3_L03_P035" (solid, remove dead copper, pour order 35): 1970,3701 1726,3701 1503,3478 1503,3322 1051,2870 1051,2283 1117,2217 1117,2033 1179,1971 1522,1971 1541,1952 1541,221 1597,165 2132,165 2163,196 2163,881 2231,949 3155,949 3186,980 3186,1485 3155,1516 3033,1516 3010,1539 3010,1639 3029.23,1658.23 3768.23,1658.23 3797,1687 3797,2246 3716,2327 3078,2327 3078,2330 2591,2817 2591,3613 2503,3701 2462,3701
12V on PWR "PWR-12V" (solid, remove dead copper, pour order 42): 1443,3708 1426,3691 1426,3641 1484,3583 1484,3346 1468,3330 1234,3330 1166,3398 1166,3797 1207.58,3838.58 1601,3838.58 1611.58,3828 1907,3828 1917.58,3838.58 2849.42,3838.58 2881,3807 2881,3097.42 2848.58,3065 2657,3065 2635,3087 2635,3617 2525,3727 1462,3727
5V on PWR "PWR-5V" (solid, remove dead copper, pour order 40): 1485,1802 1509,1826 1509,1944 1498,1955 1431,1955 1420,1944 1420,1889 1407,1876 987,1876 987,2934 1138,3085 1138,3316 1120,3334 752,3334 731,3313 731,2580 82,2580 54,2552 54,2359 80,2333 707,2333 707,476 729,454 964,454 987,477 987,1802
3V3 on PWR "3V3_L03_P039" (solid, remove dead copper, pour order 39): 563,2253 532,2284 44,2284 17,2257 17,404 89,332 234,332 563,661
GND on GND "GND_L02_P029" (solid, remove dead copper, pour order 29): 2165.35,3495.35 2213.31,3543.31 2569.31,3543.31 2657.48,3626 2657.48,3937.01 0,3937.01 0,0 3937.01,0 3937.01,2559.06 3248.03,2559.06 2952.76,2854.33 2214.67,2854.33 2165.35,2903.65

## Keep-outs
Keep-Out Layer:
  the board outline again, w10

## Other copper
Top Layer:
  pour cut-out: 384,82.14 672.81,82.14 672.81,0.19 673,0 384,0
  pour cut-out: 1944,82.14 2232.81,82.14 2232.81,0.19 2233,0 1944,0

## Silkscreen, mask and mechanical layers (free items; w line width, h text height)
Bottom Overlay:
  text "DIN" at 3392.61,3831.94 h120
  text "-" at 3071.96,3714 h120
  text "+" at 3221.96,3714 h120
  text "-" at 3371.96,3714 h120
  text "+" at 3521.96,3714 h120
  text "Designed by Đ.Khoa & Q.Thang" at 2117,3550 h100
  text "1" at 3741.73,3391.23 h120 r90
  text "DOUT" at 3883.06,3351.62 h120 r90
  text "2" at 3741.73,3097.23 h120 r90
  text "RS485" at 3879.94,1969.38 h120 r90
  text "+" at 3750,1928.56 h120 r90
  text "-" at 3750,1778.56 h120 r90
  text "CAN" at 3879.94,1612.38 h120 r90
  text "+" at 3750,1571.56 h120 r90
  text "-" at 3750,1421.56 h120 r90
  text "12V" at 3750,1249 h70 r90
  text "4-20mA" at 3879.94,1147.83 h120 r90
  text "OUT" at 3750,1099 h70 r90
  text "IN" at 3750,949 h70 r90
  text "GND" at 3750,799 h70 r90
  text "IN" at 2587.84,202 h70
  text "GND" at 2737.84,202 h70
  text "OUT" at 2887.84,202 h70
  text "GND" at 3037.84,202 h70
  text "0-10V" at 2910.32,67.88 h120
Top Paste:
  rectangle: 20,880 280,1035
  region: 2143,3937.01 2143,3897 1933,3897 ccw(c1933,3883) 1919,3883 1919,3852 cw(c1900,3852) 1900,3833 1605,3833 1605,3937.01
  region: 1443.72,3937.56 1443.72,3905.56 cw(c1431.72,3905.56) 1431.72,3893.56 1227.72,3893.56 ccw(c1227.72,3879.56) 1213.72,3879.56 1213.72,3848.56 cw(c1194.72,3848.56) 1194.72,3829.56 1061.72,3829.56 cw(c1061.72,3842.56) 1048.72,3842.56 ccw(c1030.28,3842.56) 1030.28,3861 1011.72,3861 1011.72,3937.56
Top Solder:
  rectangle: 20,880 280,1035
  region: 1444,3937 1444,3905 cw(c1432,3905) 1432,3893 1228,3893 ccw(c1228,3879) 1214,3879 1214,3848 cw(c1195,3848) 1195,3829 1062,3829 cw(c1062,3842) 1049,3842 ccw(c1030.56,3842) 1030.56,3860.44 1012,3860.44 1012,3937
  region: 2143,3937.01 2143,3897 1933,3897 ccw(c1933,3883) 1919,3883 1919,3852 cw(c1900,3852) 1900,3833 1605,3833 1605,3937.01